# Allegro board Coral-Dev-Board-Mini-layout-Allegro.brd (continued)
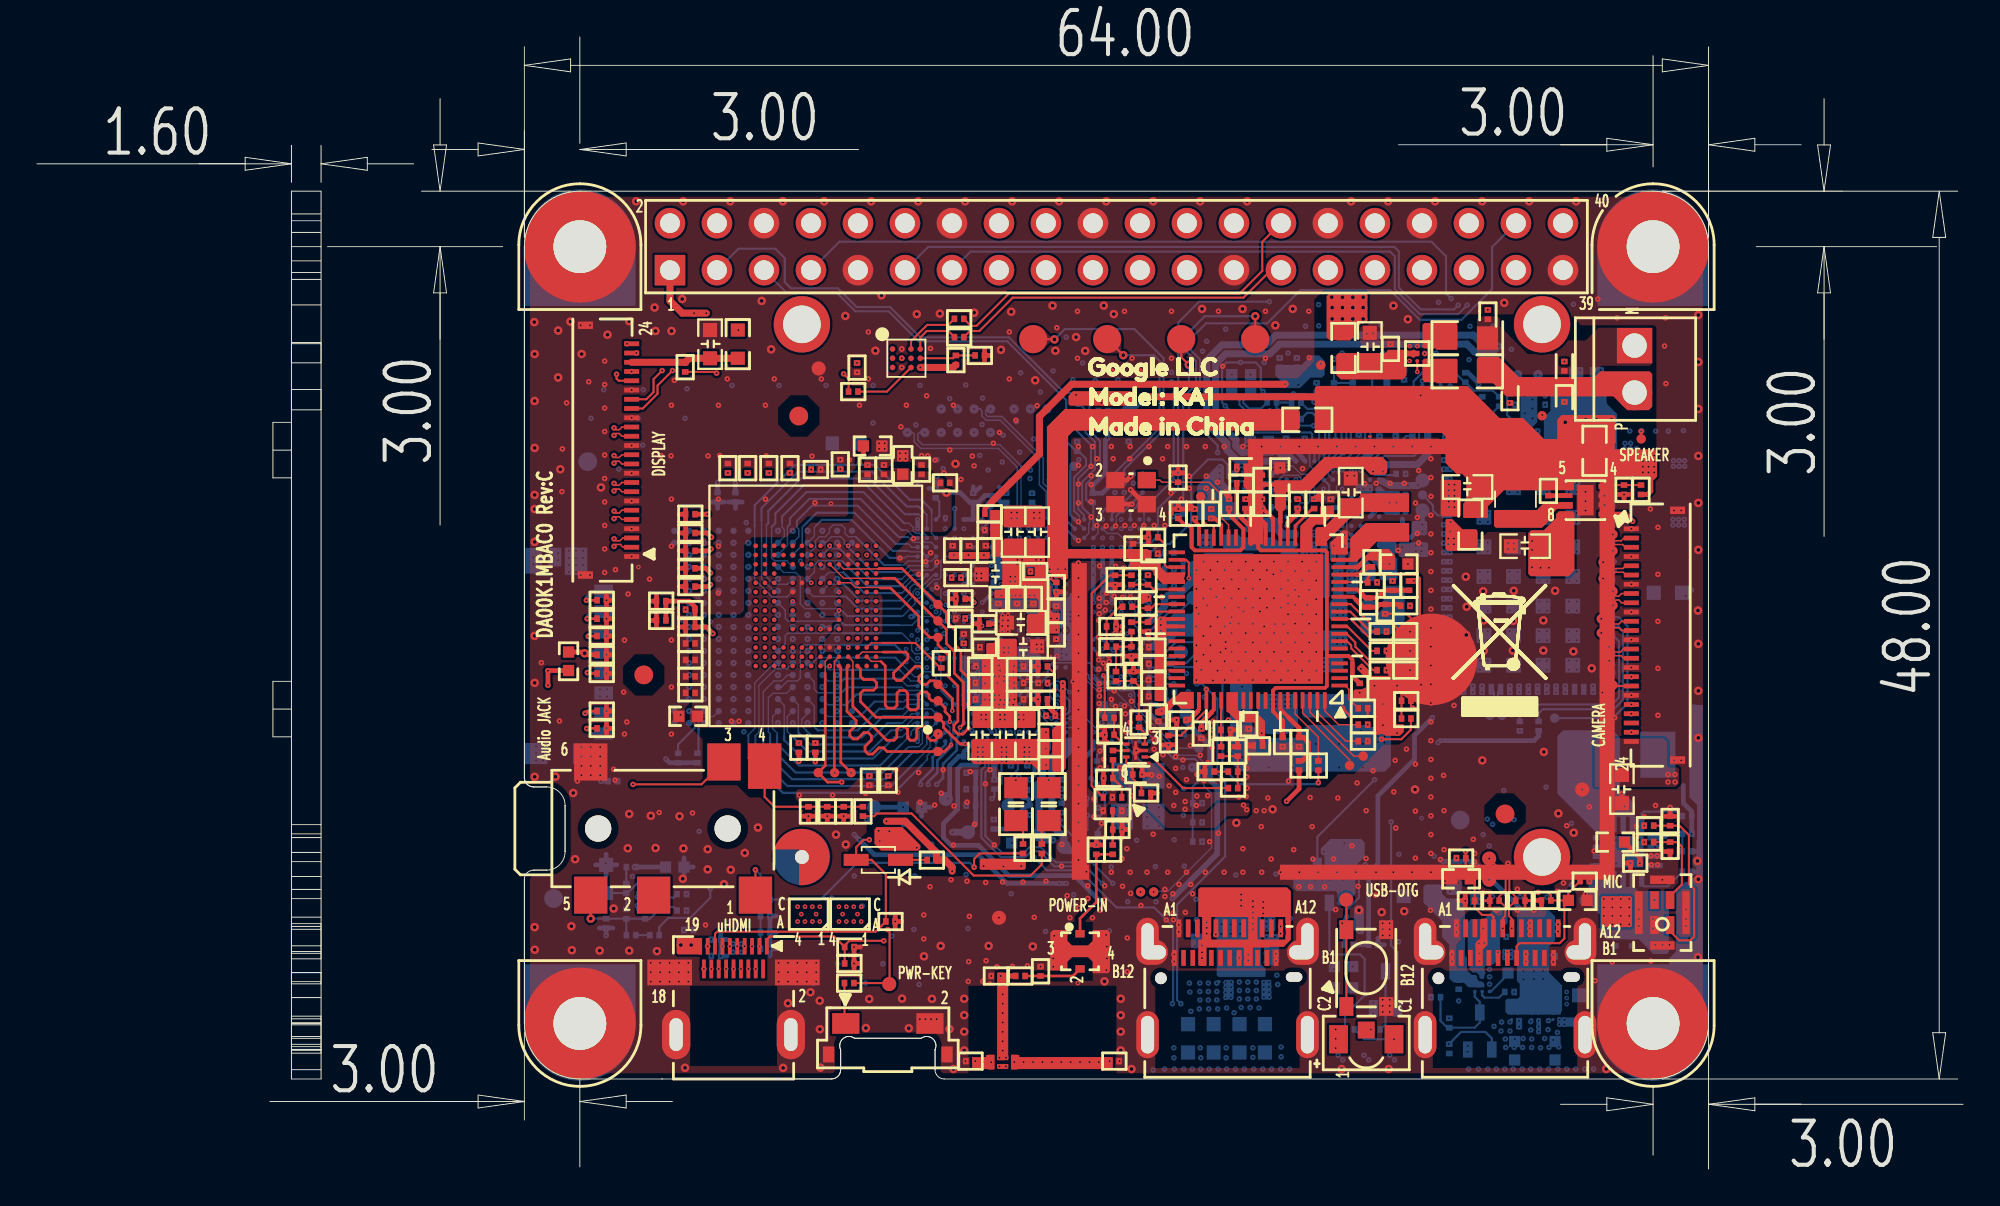
[diagram p0: board, top side]
## Footprints (pads in the part's own frame, mm; a bottom-side part is the same pattern mirrored in y, then rotated) (continued)
WLCSP12_0P4_1P38X1P68MM_SMDP
  round 0.203 smd: A1(-0.6,-0.4) A2(-0.6,0) A3(-0.6,0.4) B1(-0.2,-0.4) B2(-0.2,0) B3(-0.2,0.4) C1(0.2,-0.4) C2(0.2,0) C3(0.2,0.4) D1(0.6,-0.4) D2(0.6,0) D3(0.6,0.4)
WSON8-0_5MM-TLV62080DSGR
  rect 0.254x0.66 smd: 1(-0.75,-1.03) 2(-0.25,-1.03) 3(0.25,-1.03) 4(0.75,-1.03) 5(0.75,1.03) 6(0.25,1.03) 7(-0.25,1.03) 8(-0.75,1.03)
  rect 1.651x0.889 smd: 9(0,0)
XTL-2_5X2-1_7X1_3-4P
  rect 0.991x0.889 smd: 1(-0.85,-0.65) 2(0.85,-0.65) 3(0.85,0.65) 4(-0.85,0.65)
XTL-3_2X2_5-2_2X1_7
  rect 1.397x1.194 smd: 1(-1.1,-0.85) 2(1.1,-0.85) 3(1.1,0.85) 4(-1.1,0.85)

## Nets
3.3V_A: C210.1 C220.1 C266.1 C270.1 C278.1 C279.1 R28.2 U8.42 U8.43 U8.48 U8.49 U8.50 U8.54
3V_SYSTEM: C155.2 C182.2 D2.A J12.24 L8.2 L29.1 R28.1 R29.1 R40.2 R41.2 R42.2 R43.2 R44.2 R45.2 R58.1 R59.1 R91.1 R92.2 R167.2 TP68.1 U5.B1 U21.B1 U29.5(VOS)
AVDD18: C14.2 R2.2 U1.J1
AVSS18: C14.1 NC5.1 U1.J2
DVDD11: C34.2 C38.1 C42.1 C44.1 U8.5 U8.22 U8.23 U8.29 U8.69
DVDD18_EMI: C239.1 C240.1 C241.1 C523.1 R175.2 U501.A3 U501.A4 U501.A5 U501.A6 U501.A10 U501.U3 U501.U4 U501.U5 U501.U6 U501.U10
DVDDIO_ANTSEL: R5.1 R9.1 R96.2 U8.28
GND: C1.1 C2.1 C3.1 C4.1 C5.1 C6.1 C7.1 C8.1 C9.1 C10.1 C11.1 C12.1 C13.1 C15.2 C16.1 C17.1 C18.1 C19.1 C20.1 C21.1 C22.2 C23.2 C24.2 C29.1 C30.1 C31.2 C32.1 C33.2 C34.1 C35.1 C37.2 C38.2 C39.2 C40.2 C41.2 C42.2 C43.2 C44.2 C45.1 C46.1 C47.1 C48.1 C49.1 C50.1 C51.1 C52.1 C53.1 C54.1 C55.1 C56.1 C57.1 C58.1 C59.1 C60.1 C61.1 C62.1 C63.1 C64.1 C65.1 C66.1 C67.2 C68.2 C69.1 C70.1 C71.1 C72.1 C73.1 C74.1 C75.1 C76.1 C77.1 C78.2 C79.1 C80.1 C81.1 C82.1 C83.1 C84.1 C95.2 C99.2 C100.1 C105.2 C106.2 C114.2 C127.1 C154.1 C155.1 C156.2 C157.1 C158.1 C159.1 C160.2 C163.2 C164.1 C168.2 C169.1 C170.1 C171.1 C176.1 C178.1 C179.1 C180.1 C181.1 C182.1 C183.1 C188.1 C190.1 C191.1 C192.2 C193.1 C194.1 C195.1 C197.2 C199.1 C200.2 C201.2 C202.2 C203.1 C204.2 C205.2 C206.1 C207.1 C209.1 C210.2 C211.1 C212.1 C213.1 C214.2 C218.1 C219.1 C220.2 C223.2 C224.2 C225.2 C226.2 C227.2 C228.2 C229.2 C230.2 C231.2 C232.2 C233.2 C234.2 C235.2 C236.2 C237.2 C238.2 C239.2 C240.2 C241.2 C242.1 C243.1 C244.2 C245.1 C246.1 C247.1 C248.1 C249.2 C250.2 C251.2 C252.2 C253.2 C254.2 C255.2 C256.2 C257.2 C258.2 C259.2 C261.1 C262.1 C263.1 C264.1 C265.1 C266.2 C267.2 C268.1 C269.2 C270.2 C271.1 C272.2 C273.1 C278.2 C279.2 C280.1 C281.1 C282.1 C283.1 C284.1 C285.1 C286.1 C287.1 C288.1 C289.1 C290.1 C291.2 C292.2 C517.2 C518.2 C519.2 C520.1 C521.1 C522.1 C523.2 C524.1 C525.2 C526.2 CON1.4 CON1.7 CON1.10 CON1.13 CON1.16 CON1.21 CON1.22 CON1.23 CON1.24(SHIELD4) ESD1.1 ESD2.1 ESD3.1 ESD4.1 ESD5.1 ESD6.1 ESD7.1 HOLE1.1 HOLE2.1 HOLE3.1 HOLE4.1 J2.A1 J2.A12 J2.B1 J2.B12 J2.SH1 J2.SH2 J2.SH3 J2.SH4 J2.SH5 J2.SH6 J3.1 J3.4 J3.7 J3.10 J3.13 J3.16 J3.19 J3.25 J3.26 J4.6 J5.6(VSS) J5.G1 J5.G2 J5.G3 J5.G4 J5.G5 J6.6 J6.9 J6.14 J6.20 J6.25 J6.30 J6.34 J6.39 J7.A1 J7.A12 J7.B1 J7.B12 J7.SH1 J7.SH2 J7.SH3 J7.SH4 J7.SH5 J7.SH6 J12.1 J12.4 J12.7 J12.10 J12.13 J12.16 J12.19 J12.25 J12.26 L11.1 L12.1 L14.1 L15.1 L19.1 L20.1 L24.1 NC2.2 NC4.2 NC5.2 Q1.2(S) Q4.2(S) Q5.2(S) R15.1 R16.2 R19.1 R22.2 R26.2 R35.2 R37.2 R38.1 R39.1 R60.1 R67.1 R69.1 R81.2 R82.2 R90.2 R97.2 R98.2 R109.1 R114.2 R116.1 R117.1 R118.1 R140.2 R151.2 R152.1 R162.1 R163.2 R168.2 R169.1 R170.1 R174.2 R180.2 SHIELDING.1 SHIELDING.2 SW1.2 SW1.3 SW1.4 SW2.3 SW2.4 TP34.1 TP47.1 TP56.1 U1.A9 U1.B3 U1.B9 U1.C3 U1.C4 U1.D9 U1.E5 U1.E7 U1.E9 U1.E10 U1.E11 U1.F2 U1.F5 U1.F6 U1.F7 U1.F8 U1.F9 U1.G1 U1.G4 U1.G6 U1.H11 U1.K10 U2.B2 U3.B2 U4.B2 U5.B4 U6.A1 U6.A2 U6.A24 U6.A25 U6.AA4 U6.AA5 U6.AA6 U6.AA7 U6.AA8 U6.AA9 U6.AA10 U6.AA24 U6.AB3 U6.AB4 U6.AB5 U6.AB6 U6.AB7 U6.AB8 U6.AB10 U6.AB25 U6.AC4 U6.AC5 U6.AD3 U6.AD25 U6.AE3 U6.AE18 U6.AE21 U6.AF3 U6.F7 U6.F8 U6.F9 U6.F16 U6.F17 U6.F18 U6.F20 U6.F21 U6.G20 U6.G21 U6.H3 U6.H10 U6.H11 U6.H18 U6.H20 U6.J6 U6.J7 U6.J9 U6.J12 U6.J15 U6.K11 U6.K12 U6.K13 U6.M6 U6.M12 U6.M13 U6.N6 U6.N11 U6.N12 U6.N13 U6.N14 U6.N18 U6.P7 U6.P12 U6.P13 U6.P14 U6.P15 U6.P18 U6.R11 U6.R12 U6.R13 U6.R14 U6.T6 U6.T9 U6.T11 U6.T12 U6.T13 U6.T14 U6.T23 U6.U9 U6.U13 U6.V17 U6.W10 U6.W14 U6.W15 U6.W18 U6.Y4 U6.Y5 U6.Y6 U6.Y7 U6.Y9 U6.Y10 U6.Y24 U7.B2 U8.19 U8.77 U9.A6 U9.C4 U9.E7 U9.G5 U9.H10 U9.J5 U9.K8 U9.N2 U9.N5 U9.P4 U9.P6 U11.2 U11.4 U11.6 U12.B1 U12.B2 U15.2 U15.7 U16.2 U16.5 U16.6 U16.7 U16.8 U17.A2 U17.B3 U18.B1 U18.B2 U20.B3 U20.C3 U20.D3 U21.B4 U25.3 U25.4 U26.6 U26.7 U26.8 U26.15 U26.16 U26.17 U29.2 U29.3 U29.9 U30.A2(VSS) U30.C2 U31.1 U31.2 U31.3 U31.6 U31.7 U31.8 U31.9 U31.10 U31.11 U31.12 U31.15 U31.16 U31.17 U31.18 U31.19 U31.20 U31.21 U31.22 U31.23 U31.24 U31.25 U31.26 U31.27 U31.28 U31.29 U31.30 U31.31 U31.32 U31.33 U31.34 U31.35 U31.36 U31.38 U31.39 U31.40 U31.41 U31.42 U31.43 U31.44 U31.45 U31.46 U31.47 U31.48 U31.51 U31.55 U31.68 U31.69 U31.70 U31.71 U31.72 U31.73 U31.74 U31.75 U31.79 U31.80 U31.81 U31.86 U31.87 U31.88 U31.89 U31.90 U31.91 U31.92 U31.93 U31.94 U31.95 U31.96 U31.97 U31.98 U31.99 U31.100 U31.101 U31.102 U31.103 U31.104 U31.105 U31.106 U31.107 U31.108 U31.109 U31.110 U31.111 U31.112 U31.113 U31.114 U31.115 U31.116 U31.117 U31.118 U31.119 U31.120 U32.B2 U33.B2 U501.B2 U501.B5 U501.B6 U501.B12 U501.C3 U501.C5 U501.C6 U501.D3 U501.D12 U501.E4 U501.E5 U501.E6 U501.F4 U501.F5 U501.F6 U501.F12 U501.G3 U501.G4 U501.G6 U501.G9 U501.H2 U501.H10 U501.J4 U501.J12 U501.K2 U501.K10 U501.L6 U501.L9 U501.M4 U501.M5 U501.M6 U501.M12 U501.N4 U501.N5 U501.N6 U501.P3 U501.P12 U501.R4 U501.R5 U501.R6 U501.T2 U501.T3 U501.T4 U501.T5 U501.T6 U501.T12 Y1.2 Y1.3(HOT2) Y1.4 Y3.2(NC2) Y3.3 Y3.4
GND_VCORE_FB: NC2.1 U1.B8
GND_VPROC_FB: NC4.1 U1.D7
VBUS: C154.2 C157.2 C192.1 C211.2 C218.2 C262.2 C264.2 C265.2 C287.2 C288.2 C289.2 C290.2 C291.1 C292.1 CON1.19 J6.2 J6.4 R36.1 R49.1 R50.1 R62.1 R153.2 TP69.1 U2.A2(VOUT) U3.A2(VOUT) U4.A2(VOUT) U7.A2(VOUT) U26.10 U26.11 U26.12 U26.13 U29.8 U32.A2(VOUT) U33.A2(VOUT)
VBUS_3W: C213.2 C214.1 R62.2 U17.B1 U17.B2(PVDDD)
VBUS_R: C183.2 C212.2 R153.1 U20.B1 U20.B2 U20.C1(VINT#3)
VBUS_TYPC: C19.2 C178.2 J2.A4 J2.A9 J2.B4 J2.B9(VBUS4) L28.2 R20.1 TP72.1 U2.A1 U2.B1 U3.A1 U3.B1 U32.A1 U32.B1
VBUS_TYPC_R: C246.2 C263.2 L28.1 U20.C2 U20.D1 U20.D2
VCCIO_PMU: C67.1 C68.1 C223.1 C224.1 C225.1 C226.1 C227.1 C228.1 C229.1 C230.1 C231.1 C232.1 C233.1 C234.1 C235.1 C236.1 C237.1 C238.1 C516.1 C525.1 C526.1 R133.2 TP79.1 U6.A11 U6.B9 U6.B12 U6.B13 U6.B14 U6.B15 U6.C10 U6.C13 U6.C15 U6.D15 U6.E12 U6.E15 U6.G10 U6.G12 U6.G15 U6.G17 U501.A8 U501.A9 U501.A11 U501.C12 U501.D4 U501.D5 U501.D6 U501.E8 U501.E12 U501.F2 U501.G2 U501.G5 U501.G12 U501.H3 U501.H5 U501.H6 U501.H8 U501.H9 U501.H11 U501.H12 U501.J5 U501.J6 U501.J9 U501.J10 U501.K5 U501.K6 U501.K8 U501.K11 U501.K12 U501.L2 U501.L5 U501.L12 U501.M2 U501.N8 U501.N12 U501.P4 U501.P5 U501.P6 U501.R12 U501.U8 U501.U9 U501.U11
ACCDET: R113.2 U6.W23
ACCDET_R: R79.1 R113.1
ADA_IN: C21.2 C179.2 J7.A4 J7.A9 J7.B4(VBUS4) J7.B9 TP76.1 U4.A1 U4.B1 U7.A1 U7.B1 U33.A1 U33.B1
AMP_EN: U6.AE13 U17.C2
ANTSEL2: R48.2 U8.40
APEX_BOOT_FAIL: R179.2 U6.AE2
APEX_INT: R183.2 U6.Y3
APEX_PMIC_EN: TP111.1 U6.AD1 U31.53
APEX_RST_N: R109.2 U6.AD2 U31.76
APEX_V3P3: C281.2 C282.2 C283.2 C284.2 R167.1 U31.56 U31.57 U31.58 U31.59 U31.60 U31.61 U31.62 U31.63 U31.64 U31.65 U31.66 U31.67(VIN#67)
AU_VIN_N: C167.1 U6.V23
AU_VIN_N_C: C160.1 C164.2 C165.2 C167.2 R110.2 R111.1
AU_VIN_P: C166.1 U6.V24
AU_VIN_P_C: C163.1 C165.1 C166.2 ESD1.2 J4.5(MIC) R79.2 R110.1
AUX_IN0: C176.2 R114.1 R115.2 U6.V20
AUX_IN1: C524.2 R180.1 R181.2 U6.V21
AUX_IN2: TP101.1 U6.V18
AUX_IN3: TP102.1 U6.W20
AUX_IN4: TP103.1 U6.V19
AUX_IN5: TP104.1 U6.W21
BT_TDD: C187.2 U15.1
BUCK_1V3_OUT: C32.2 C33.1 C35.2 C180.2 C193.2 C203.2 L10.1 U8.20 U8.21 U8.31 U8.38 U8.58 U8.63 U8.64
CAM1_PWDNB: J12.17 U6.H24
CAM1_RESETB: J12.23 U6.K25
CAM_I2C_SCL: J3.17 J12.20 R40.1 U6.U7
CAM_I2C_SDA: J3.18 J12.21 R41.1 U6.U8
CC1: ESD7.2 J2.A5 R77.1 R169.2 R177.1
CC2: ESD6.2 J2.B5 R76.1 R170.2 R176.1
CEC: C156.1 CON1.15 D4.C(CATHODE) U6.AE8
CHRLDO: R33.2 U1.H3
CLK_26M: R104.2 U6.AA23
CLK_32K: R93.2 U6.M18
CLK_N: U6.AC21 U12.C4
CLK_P: U6.AB21 U12.C3
D0N: U6.AD22 U12.C2
D0P: U6.AC22 U12.C1
D1N: U6.AE23 U18.C4
D1P: U6.AD23 U18.C3
D2N: U6.AE24 U18.C2
D2P: U6.AD24 U18.C1
DDC_SCL: CON1.17 R49.2 U6.AE9
DDC_SDA: CON1.18 R50.2 U6.AD8
DDRVREF: C516.2 C517.1 C518.1 C519.1 R182.2 U501.H4 U501.J11
DSI_3P3: C520.2 J3.22 L29.2 R178.2
DSI_RST: J3.20 TP62.1 U6.U5
DSI_TCN: J3.9 TP41.1 U6.N5
DSI_TCP: J3.8 TP46.1 U6.N4
DSI_TDN0: J3.12 TP40.1 U6.P3
DSI_TDN1: J3.6 TP39.1 U6.R3
DSI_TDN2: J3.3 TP38.1 U6.T2
DSI_TDN3: J3.15 TP37.1 U6.T5
DSI_TDP0: J3.11 TP45.1 U6.P2
DSI_TDP1: J3.5 TP44.1 U6.R2
DSI_TDP2: J3.2 TP43.1 U6.T1
DSI_TDP3: J3.14 TP42.1 U6.T4
DSI_TE: R178.1 TP64.1 U6.U3
DUN0: U501.A1
DUN1: U501.A2
DUN2: U501.A12
DUN3: U501.A13
DUN4: U501.B13
DUN5: U501.B1
DUN6: U501.T1
DUN7: U501.T13
DUN8: U501.U1
DUN9: U501.U2
DUN10: U501.U12
DUN11: U501.U13
EA0: U6.D12 U501.R2
EA1: U6.C12 U501.P2
EA2: U6.F12 U501.N2
EA3: U6.B11 U501.N3
EA4: U6.B10 U501.M3
EA5: U6.A13 U501.F3
EA6: U6.A16 U501.E3
EA7: U6.A14 U501.E2
EA8: U6.B16 U501.D2
EA9: U6.F15 U501.C2
ECKE0: U6.A9 U501.K3
ECKE1: U6.C11 U501.K4
ECLK0: U6.E11 U501.J3
ECLK0_B: U6.D11 U501.J2
ECS0: U6.A15 U501.L3
ECS1: U6.B17 U501.L4
ED0: U6.C4 U501.P9
ED1: U6.B3 U501.N9
ED2: U6.A7 U501.N10
ED3: U6.B7 U501.N11
ED4: U6.B2 U501.M8
ED5: U6.C3 U501.M9
ED6: U6.C7 U501.M10
ED7: U6.A8 U501.M11
ED8: U6.B19 U501.F11
ED9: U6.B18 U501.F10
ED10: U6.C24 U501.F9
ED11: U6.C25 U501.F8
ED12: U6.A19 U501.E11
ED13: U6.B20 U501.E10
ED14: U6.B24 U501.E9
ED15: U6.C23 U501.D9
ED16: U6.A3 U501.T8
ED17: U6.A4 U501.T9
ED18: U6.A5 U501.T10
ED19: U6.B6 U501.T11
ED20: U6.B4 U501.R8
ED21: U6.B5 U501.R9
ED22: U6.C5 U501.R10
ED23: U6.C6 U501.R11
ED24: U6.A20 U501.C11
ED25: U6.A21 U501.C10
ED26: U6.A22 U501.C9
ED27: U6.A23 U501.C8
ED28: U6.B21 U501.B11
ED29: U6.C22 U501.B10
ED30: U6.B22 U501.B9
ED31: U6.B23 U501.B8
EDQM0: U6.C8 U501.L8
EDQM1: U6.E21 U501.G8
EDQM2: U6.E5 U501.P8
EDQM3: U6.C19 U501.D8
EDQS0: U6.D7 U501.L10
EDQS0_B: U6.E7 U501.L11
EDQS1: U6.D19 U501.G10
EDQS1_B: U6.E19 U501.G11
EDQS2: U6.D9 U501.P10
EDQS2_B: U6.E9 U501.P11
EDQS3: U6.C21 U501.D10
EDQS3_B: U6.D21 U501.D11
EINT0: J6.16 U6.AC14
EINT1: J6.18 U6.AA14
EINT7: J6.22 U6.AF14
EINT8: J6.26 U6.AA15
EINT9: J6.11 U6.AD12
EINT10: J6.13 U6.AD14
EINT11: J6.15 U6.Y15
EINT12: J6.32 U6.AE12
EINT13: J6.36 U6.AB15
EINT22: J6.7 U6.K23
EINT23: R164.2 U6.L25
EINT25: J6.33 U6.AE14
EMMC_CLK: TP22.1 U6.G23 U9.M6
EMMC_CMD: TP23.1 U6.G22 U9.M5
EMMC_DAT0: TP31.1 U6.F24 U9.A3
EMMC_DAT1: TP30.1 U6.F25 U9.A4
EMMC_DAT2: TP29.1 U6.F23 U9.A5
EMMC_DAT3: TP28.1 U6.E24 U9.B2
EMMC_DAT4: TP27.1 U6.E23 U9.B3
EMMC_DAT5: TP26.1 U6.D24 U9.B4
EMMC_DAT6: TP25.1 U6.D25 U9.B5
EMMC_DAT7: TP24.1 U6.D23 U9.B6
EMMC_RSTB: TP21.1 U6.G24 U9.K5
EXT_PMIC_EN: TP2.1 U1.F3
FB_17: R67.2 R68.1 U26.5
GPIO_GREEN: Q5.1 U6.AD7
GPIO_RED: Q4.1 U6.AC8
HDMI_CLK_N: CON1.14 U12.A4
HDMI_CLK_P: CON1.12 U12.A3
HDMI_D0_N: CON1.11 U12.A2
HDMI_D0_P: CON1.9 U12.A1
HDMI_D1_N: CON1.8 U18.A4
HDMI_D1_P: CON1.6 U18.A3
HDMI_D2_N: CON1.5 U18.A2
HDMI_D2_P: CON1.3 U18.A1
HDMI_HPD: C261.2 CON1.1 R151.1 U6.AF8
HEADPHONE.LEFT_CHAN: R78.1 R84.1
HEADPHONE.RIGHT_CHAN: R80.2 R85.1
HPL: C274.1 U6.T20
HPL_C: C274.2 R84.2
HPR: C275.1 U6.T19
HPR_C: C275.2 R85.2
I2C1_SCL: J6.5 R42.1 U6.W2
I2C1_SDA: J6.3 R43.1 U6.Y2
I2C2_1P8_SCL: R24.1 R166.1 U21.A1
I2C2_1P8_SDA: R23.1 R165.1 U21.A2
I2C2_SCL: J6.28 R44.1 R172.2 U6.M22 U21.C1
I2C2_SDA: J6.27 R45.1 R173.2 U6.M21 U21.C2
INT_HP: J4.3 R83.2 U6.AA3
JTCLK_1V8: TP11.1 U6.W3 U21.A4
JTCLK_3V3: J6.37 U21.C4
JTMS_1V8: R73.2 TP8.1 U6.V3
KPCOL0: TP52.1 U6.AA2
LOUT_N: C216.2 R31.2 U6.T21
LOUT_N_C: C216.1 R52.1
LOUT_N_R1: R31.1 U1.E2
LOUT_N_RC: R52.2 U17.C1
LOUT_P: C215.2 R30.2 U6.R21
LOUT_P_C: C215.1 R32.1
LOUT_P_R1: R30.1 U1.E1
LOUT_P_RC: R32.2 U17.A1
MIC_CLK: C106.1 R141.1 U16.3
MIC_CLK_R0: R141.2 U6.T25
MIC_DAT: C114.1 R134.1 U16.4
MIC_DAT_R0: R134.2 U6.T24
MICBIAS0: C207.2 C522.2 U6.W25 U16.1(VDD)
MICBIAS1: C206.2 C521.2 R112.2 U6.W24
MICBIAS1_R: R111.2 R112.1
MIPI_CSI_CLK_N: J12.5 TP14.1 U6.M4
MIPI_CSI_CLK_P: J12.6 TP15.1 U6.M5
MIPI_CSI_D0_N: J12.2 TP12.1 U6.K1
MIPI_CSI_D0_P: J12.3 TP13.1 U6.K2
MIPI_CSI_D1_N: J12.8 TP20.1 U6.L2
MIPI_CSI_D1_P: J12.9 TP7.1 U6.L3
MIPI_CSI_D2_N: J12.11 TP18.1 U6.M2
MIPI_CSI_D2_P: J12.12 TP19.1 U6.M3
MIPI_CSI_D3_N: J12.14 TP16.1 U6.N2
MIPI_CSI_D3_P: J12.15 TP17.1 U6.N3
MRG_CLK: J6.12 U6.AE17
MRG_DI: J6.38 U6.AF18
MRG_DO: J6.40 U6.AD16
MRG_SYNC: J6.35 U6.AF17
MT7658_AVDD18: C41.1 R3.2 U8.25
MT7658_AVDD22: C39.1 C168.1 C197.1 C204.1 U8.27 U8.34 U8.37 U8.59
MT7658_BGF_INT: R64.2 U6.AD10
MT7658_GPIO0: R65.2 U6.AA1
MT7658_PMU_EN: R63.2 U6.AC10
MT7658_WIFI_INT: R61.2 U6.AD9
OTG_ID: Q1.1 R152.2 U6.J23
OTG_ID_SELECT: R100.2 U6.AE10
PANEL_PWM: J3.21 TP63.1 U6.U6
PMU_EN: C269.1 R63.1 R72.1 U8.15
PMU_FSOURCE: R19.2 U1.B6
PMU_VBAT_VCORE: C5.2 C6.2 R120.2 U1.A10 U1.B10
PMU_VBAT_VPROC: C3.2 C4.2 R121.2 U1.D10 U1.D11
PMU_VBAT_VSYS: C7.2 C8.2 R119.2 U1.G11
PUSH_BUTTON_GPIO: R54.1 SW2.1 SW2.2 TP107.1 U6.AC15
PWRAP.INT: R127.1 U1.A4
PWRAP.SPI_CK: R131.1 U1.C5
PWRAP.SPI_CSN: R130.1 U1.B5
PWRAP.SPI_MI: R128.1 U1.A5
PWRAP.SPI_MO: R129.1 U1.C6
PWRAP.SRCLKEN: R132.1 U1.E3
PWRKEY: R137.2 TP58.1 U1.J9
RESETB: R161.1 U1.J10
RESETB_R: R161.2 TP53.1 U6.N22
REXTDN: R16.1 U6.C1
RFIP_BT: C169.2 L9.1 U8.62
RFIP_BT_CO: C187.1 L9.2 L15.2 L18.2
RTC32K_1V8: TP59.1 U1.E4 U6.M20
SD_CARD.CLK: C99.1 J5.5 U6.Y11
SD_CARD.CMD: C105.1 J5.3 U6.AA11
SD_CARD.DAT0: C95.1 J5.7 U6.AF11
SD_CARD.DAT1: C24.1 J5.8 U6.AE11
SD_CARD.DAT2: C23.1 J5.1 U6.AC11
SD_CARD.DAT3: C22.1 J5.2 U6.AB11(MSDC2_DAT3)
SDIO_CLK: R17.1 U8.9
SDIO_CMD: R12.1 U8.11
SDIO_DAT0: R99.1 U8.7
SDIO_DAT1: R27.1 U8.8
SDIO_DAT2: R13.1 U8.10
SDIO_DAT3: R11.1 U8.12
SOC_FSOURCE_P: C158.2 R25.1 U6.K9
SOC_TESTMODE: R22.1 U6.W1
SPI_3P3.SPI_CLK: J6.23 U6.Y14
SPI_3P3.SPI_CSB: J6.24 U6.AB14
SPI_3P3.SPI_MI: J6.21 U6.AD15
SPI_3P3.SPI_MO: J6.19 U6.AD13
SPK_N: C243.2 J1.N L26.1 R53.2
SPK_N_R1: L26.2 U1.B1
SPK_N_R2: R53.1 U17.A3
SPK_P: C247.2 J1.P L27.1 R51.2
SPK_P_R1: L27.2 U1.A1
SPK_P_R2: R51.1 U17.C3
SYSRST_B: R97.1 TP10.1 U6.V1 U8.60
TS_INTB: J3.23 U6.J24
TS_RESETB: J3.24 U6.K24
UART0.RX: J6.10 TP50.1 U5.C2
UART0.TX: J6.8 TP51.1 U5.C1
UART0_RX: U5.A2 U6.AC2
UART0_TX: U5.A1 U6.AC1
UART1.RX: J6.31 U5.C4
UART1.TX: J6.29 U5.C3
UART1_RX: U5.A4 U6.AB2
UART1_TX: U5.A3 U6.AB1
UART2_RX: TP113.1 U6.AE15
UART2_TX: TP112.1 U6.AE16
USB_APEX.USB_APEX_D_M: TP54.1 U6.AD19 U31.14
USB_APEX.USB_APEX_D_P: TP55.1 U6.AE19 U31.13
USB_DATA_N: ESD5.2 J2.A7 J2.B7 TP49.1 U6.AD20
USB_DATA_P: ESD4.2 J2.A6 J2.B6 TP48.1 U6.AE20
USB_VBUS_P0: R36.2 R37.1 U6.AF21
USB_VRT_P0: R38.2 U6.AC18
VAUD18_PMU: R2.1 TP81.1 U1.K7
VAUD22_PMU: C199.2 TP86.1 U1.K9 U6.V25
VAUD28_PMU: C18.2 TP87.1 U1.L11 U6.R25
VCAM_AF_PMU: C100.2 C159.2 C205.1 C248.2 R54.2 R160.2 TP88.1 U1.K4 U6.H25
VCAMA_PMU: U1.L9
VCAMD_PMU: U1.H8
VCAMIO_PMU: U1.J8
VCDT: R34.2 R35.1 U1.F1
VCN18_PMU: U1.G8
VCN35_PMU: U1.H6
VCORE_FB: NC1.1 U1.A8
VCORE_PMU: C45.2 C46.2 C47.2 C48.2 C49.2 C50.2 C51.2 C52.2 C53.2 C54.2 C55.2 L2.2 NC1.2 TP77.1 U6.J10 U6.K10 U6.K14 U6.L9 U6.M9 U6.N9 U6.N10 U6.P9 U6.R9 U6.R10 U6.T15 U6.U11 U6.U12 U6.V15 U6.V16
VDIG18_PMU: C15.1 U1.A6
VELDO18_PMU: R25.2 U1.K5
VEMC33_PMU: C74.2 C75.2 C76.2 C250.1 C251.1 C252.1 C253.1 C254.1 R105.2 TP67.1 U1.J5 U9.E6 U9.F5 U9.J10 U9.K9
VGP1_PMU: C280.2 J6.1 R171.1 TP85.1 U1.L3 U30.B2 U30.C4
VGP2_PMU: J6.17 TP84.1 U1.L2
VIO18_PMU: C69.2 C70.2 C71.2 C72.2 C73.2 C79.2 C80.2 C81.2 C82.2 C83.2 C84.2 C255.1 C256.1 C257.1 C258.1 C259.1 C285.2 C286.2 R1.2 R4.2 R6.2 R9.2 R14.2 R23.2 R24.2 R55.2 R72.2 R83.1 R115.1 R175.1 R181.1 TP80.1 U5.B2(VL) U5.B3 U6.AF9 U6.AF19 U6.F1 U6.F5 U6.G1 U6.G5 U6.G25 U6.K8 U6.M1 U6.N25 U6.U4 U6.W19 U6.W22 U9.C6 U9.M4 U9.N4 U9.P3 U9.P5 U21.B2(VL) U21.B3 U29.1 U31.54
VIO28_PMU: U1.L7
VM25_PMU: U1.H5
VMC_PMU: C77.2 TP95.1 U1.K6 U6.AF12
VMCH_PMU: C17.2 C20.2 R124.2 TP66.1 U1.L8
VMCH_PMU_R: C200.1 J5.4 R124.1
VPROC_FB: NC3.1 U1.C7
VPROC_PMU: C56.2 C57.2 C58.2 C59.2 C60.2 C61.2 C62.2 C63.2 C64.2 C65.2 C66.2 L1.2 NC3.2 TP78.1 U6.J18 U6.J19 U6.J20 U6.J21 U6.K16 U6.K17 U6.K18 U6.K19 U6.K20 U6.K21 U6.L15 U6.M16 U6.P16
VRTC_PMU: TP83.1 U1.D1
VSYS: C2.2 C9.2 C10.2 C11.2 C268.2 L13.2 R66.2 R68.2 R119.1 R120.1 R121.1 R122.2 TP70.1 U1.H1 U1.H2 U1.L4 U1.L6 U1.L10 U26.14(VOS)
VSYS_AUDIO_1W: C127.2 R122.1 U1.C1
VSYS_L: L13.1 U26.1 U26.2 U26.3
VSYS_PMU: C12.2 C13.2 L3.2 U1.H10
VUSB33_PMU: C78.1 TP65.1 U1.L1 U6.Y18
VXO22_PMU: R106.2 R107.2 TP82.1 U1.K8
WATCHDOG: R18.1 U6.P24
WF0_LNA_EXT_G: L11.2 L16.1 U8.46
WF0_RFIO_A: L20.2 L22.1 U8.44
WF0_RFIO_G: L14.2 L17.1 U8.47
WF_BT_2G_TDD: C196.1 C202.1 U11.1
WF_RF_5G_TRX: L22.2 L24.2 U11.3(TR_5)
WF_TDD: C189.2 U15.3
WIFI_3.3V: C31.1 C36.2 C40.1 C201.1 R5.2 R29.2 R71.2 U8.17 U8.26 U8.61
WIFI_INT_B: R61.1 U8.1
WIFI_SDIO.CLK: R17.2 U6.D1
WIFI_SDIO.CMD: R12.2 U6.E3
WIFI_SDIO.DAT0: R99.2 U6.D2
WIFI_SDIO.DAT1: R27.2 U6.D3
WIFI_SDIO.DAT2: R13.2 U6.F2
WIFI_SDIO.DAT3: R11.2 U6.E2
N16779904: L17.2 L19.2 L21.2 L23.1
N16779987: C171.2 L16.2 L21.1
N16780021: C188.2 C189.1 L23.2
N16781432: C195.2 R71.1 U15.6(VDD)
N16781464: C196.2 U15.5
N16781495: C191.2 R48.1 U15.4
N16782197: C190.2 L25.1 U11.5
N16782316: C194.2 L25.2 U25.1
N16782850: C245.2 R70.2 U25.2(OUT)
N16782999: L12.2 R70.1 U24.2 U24.3 U24.5 U24.6
N16783337: C244.1 U24.1
N16783499: C249.1 U24.4
N16795155: L8.1 U29.7
N16795239: R90.1 R91.2 U29.4
N16795357: R92.1 U29.6
N16801223: C267.1 U26.9
N16801377: R66.1 U26.4
N16802138: R60.2 U20.A3
N16802168: R59.2 U20.A2
N16802186: Q1.3 R58.2 R100.1 U20.A1
N16807355: R26.1 U6.AF22
N16807613: D4.A R105.1
N16814716: TP9.1 U6.V2
N16814904: C271.2 U6.AA25
N16814973: R132.2 U6.N23
N16814975: R131.2 U6.M23
N16814977: R130.2 U6.L23
N16814979: R129.2 U6.L24
N16814989: R128.2 U6.M24
N16814991: R127.2 U6.N24
N16815944: R69.2 U6.P1
N16816080: TP4.1 U6.H2
N16819496: C219.2 R107.1 U6.AB23
N16820063: C209.2 R106.1 U6.N20
N16820628: R118.2 U6.W6
N16820631: R117.2 U6.W5
N16820634: R116.2 U6.AD6
N16821487: U6.AC25 Y3.1
N16828522: C170.2 L18.1
N17848281: J12.18 TP1.1
N17861640: C273.2 ESD2.2 J4.1 R80.1 R81.1
N17861726: C272.1 ESD3.2 J4.4 R78.2 R82.1
N17885061: Q4.3 R57.2
N17885064: Q5.3 R56.2
N17885188: D2.C1 R57.1
N17885197: D2.C2 R56.1
N17885971: R137.1 SW1.1
N17891382: C242.2 U9.C2
N17927723: C1.2 R20.2 R33.1 R34.1
N17928169: R18.2 U1.D2
N17928355: TP5.1 U1.H9
N17931076: C30.2 R4.1 R10.1 U8.13
N17931333: C29.2 R3.1 R10.2 U8.14
N17931466: C36.1 U8.16
N17931598: L10.2 U8.18
N17932120: C43.1 U8.24
N17932209: R77.2 U1.K1
N17932805: L1.1 U1.C10 U1.C11
N17933000: L2.1 U1.A11 U1.B11
N17933054: L3.1 U1.F10 U1.F11
N17933258: R96.1 U8.30
N17933389: R133.1 U1.J11
N17933396: R1.1 U1.K11
N17934085: C16.2 TP3.1 U1.G2
N17934398: R140.1 U1.A3
N17934405: R93.1 U1.A2(XOUT)
N17937278: C181.2 U8.33 Y1.1
N17937510: TP57.1 U8.35
N17938368: R98.1 U8.41
N17941528: R160.1 U6.AF15
N17941825: R6.1 U6.Y25
N17943937: C37.1 R14.1 U8.70
N17944282: R73.1 U8.72
N17944298: TP33.1 U8.73
N17944312: TP32.1 U8.74
N17944315: R64.1 U8.76
N17944320: R65.1 U8.75
N17951315: R76.2 U1.K2
N17976816: R104.1 U1.D5
N18007831: R164.1 U30.C3
N18008104: R173.1 U30.A4
N18008119: R172.1 U30.A3
N18129500: TP97.1 U31.52
N18130230: R165.2 U31.49
N18130235: R166.2 U31.50
N18132872: R168.1 U31.84
N18136019: R55.1 U31.83
N18136050: R183.1 TP114.1 U31.77
N18136062: TP98.1 U31.82
N18147695: TP99.1 U31.37
N18151525: TP109.1 U21.A3
N18151527: TP110.1 U21.C3
N18186222: R171.2 R174.1 U30.B4
N18233323: R182.1 U6.G9
N18237571: R15.2 U501.B3
N18237581: R39.2 U501.B4(ZQ1)
N18388068: R179.1 U31.85
N18396783: J7.A5 R162.2 R177.2
N18396799: J7.B5 R163.1 R176.2

Pads without a net: CON1 2; HOLE5 1; HOLE6 1; HOLE7 1; HOLE8 1; J2 A2 A3 A8 A10 A11 B2 B3 B8 B10 B11; J4 2; J7 A2 A3 A6 A7 A8 A10 A11 B2 B3 B6 B7 B8 B10 B11; J12 22; NOREF 1; NOREF#2 1; NOREF#4 1; NOREF#5 1; NOREF#7 1; NOREF#8 1; U1 A7 B7 D3 K3; U6 A17 AA18 AB18 AD4 AD5 AE1 AE7 AE25 AF1 AF2 AF25 C16 D16 E16 G3 G4 G6 G7 G8 H1 J2 J3 J4 J5 T17 U17 U23 U24 W8; U8 2 3 4 6 32 36 39 45 51 52 53 55 56 57 65 66 67 68 71; U9 A1 A2 A7 A8 A9 A10 A11 A12 A13 A14 B1 B7 B8 B9 B10 B11 B12 B13 B14 C1 C3 C5 C7 C8 C9 C10 C11 C12 C13 C14 D1 D2 D3 D4 D12 D13 D14 E1 E2 E3 E5 E8 E9 E10 E12 E13 E14 F1 F2 F3 F10 F12 F13 F14 G1 G2 G3 G10 G12 G13 G14 H1 H2 H3 H5 H12 H13 H14 J1 J2 J3 J12 J13 J14 K1 K2 K3 K6 K7 K10 K12 K13 K14 L1 L2 L3 L12 L13 L14 M1 M2 M3 M7 M8 M9 M10 M11 M12 M13 M14 N1 N3 N6 N7 N8 N9 N10 N11 N12 N13 N14 P1 P2 P7 P8 P9 P10 P11 P12 P13 P14; U30 A1 B1 B3 C1; U31 4 5 78; U501 C4 J8 K9 R3

## Via types
v1: diameter 0.305, hole 0.102, TOP to L02_GND1, 1143 vias
v2: diameter 0.305, hole 0.102, L02_GND1 to L03_IN1, 961 vias
v3: diameter 0.305, hole 0.102, L03_IN1 to L04_IN2, 761 vias
v4: diameter 0.305, hole 0.102, L04_IN2 to L05_POW, 341 vias
v5: diameter 0.457, hole 0.203, L05_POW to L06_GND2, 517 vias
v6: diameter 0.305, hole 0.102, L06_GND2 to L07_IN3, 557 vias
v7: diameter 0.305, hole 0.102, L07_IN3 to L08_IN4, 603 vias
v8: diameter 0.305, hole 0.102, L08_IN4 to L09_IN5, 725 vias
v9: diameter 0.305, hole 0.102, L09_IN5 to BOTTOM, 1101 vias
v10: diameter 0.254, hole 0.102, L09_IN5 to BOTTOM, 606 vias
v11: diameter 0.254, hole 0.102, L07_IN3 to L08_IN4, 360 vias
v12: diameter 0.254, hole 0.102, L08_IN4 to L09_IN5, 540 vias
v13: diameter 0.254, hole 0.102, TOP to L02_GND1, 222 vias
v14: diameter 0.254, hole 0.102, L02_GND1 to L03_IN1, 160 vias
v15: diameter 0.457, hole 0.203, L03_IN1 to L08_IN4, 89 vias
v16: diameter 0.254, hole 0.102, L06_GND2 to L07_IN3, 286 vias
v17: diameter 0.457, hole 0.203, TOP to BOTTOM, 191 vias
v18: diameter 0.254, hole 0.102, L03_IN1 to L04_IN2, 120 vias
v19: diameter 0.254, hole 0.102, L04_IN2 to L05_POW, 114 vias

## Routing (per net, layer and track width the routed paths; a pad name or vN(x,y) marks a point on that pad's centre or on a via; arc(x,y) is an arc through that point)
3.3V_A: length 8.1
  TOP w0.203: 60.68,29.34 U8.49 ; C270.1 60.6,27.34 U8.54 ; U8.50 60.79,28.94 ; 60.89,29.74 U8.48
  L03_IN1 w0.762: 56.1,31.64 56.23,31.52 57.7,31.52 57.7,31.52 57.94,31.52 59.86,29.59
  vias: v1(54.73,32.43) v1(55.16,32.43) v1(55.57,32.43) v1(55.57,32.02) v1(60.73,29.71) v1(60.73,29.41) v1(60.73,29.1) v2(54.73,32.43) v2(55.16,32.43) v2(55.57,32.43) v2(55.57,32.02) v2(60.73,29.71) v2(60.73,29.41) v2(60.73,29.1)
3V_SYSTEM: length 62.8
  TOP w0.254: 87.22,37.38 87.22,36.65 87.04,36.47 R91.1
  TOP w0.381: v17(59.95,41.75) 69.07,41.75
  L03_IN1 w0.254: 61.18,13.97 60.71,13.97 v4(60.15,14.52)
  L03_IN1 w0.381: v17(59.95,41.75) 59.95,41.9 58.26,43.59 56.94,43.59 56.59,43.25 50.78,43.25 48.33,45.7 47.33,45.7 47.33,45.7 44.74,45.7 42.55,43.5 39.59,43.5 37.9,45.19 v2(37.9,45.36)
  L05_POW w0.254: v4(60.15,14.52) 59.45,14.52 59.07,14.9 v7(52.78,14.9)
  L07_IN3 w0.254: v9(56.21,39.31) 56.42,39.52 v9(57.86,39.52)
  L08_IN4 w0.254: v7(52.78,14.9) 52.21,15.47 52.21,20.58 v9(51.74,21.05)
  BOTTOM w0.254: v9(51.74,21.05) R45.2 ; v17(59.95,41.75) 59.18,40.99 TP68.1 58.99,40.98 R41.2 R40.2 57.88,39.54 v9(57.86,39.52) 57.74,39.4 57.74,37.64 57.05,36.95 R43.2 57.57,36.54 58.11,37.07 U5.B1
  vias: v1(70.19,7.55) v1(70.19,7.04) v1(70.19,6.53) v1(74.78,41.83) v1(86.79,38.58) v1(86.79,38.27) v1(86.79,37.97) v1(86.79,37.66) v1(87.09,38.58) v1(87.09,38.27) v1(87.09,37.97) v1(87.09,37.66) v1(87.4,38.58) v1(87.4,38.27) v1(87.4,37.97) v1(87.4,37.66) v1(88.15,21.33) v1(88.15,20.92) v1(88.53,21.33) v1(88.53,20.92) v2(70.19,7.55) v2(70.19,7.04) v2(70.19,6.53) v2(74.78,41.83) v2(86.79,38.58) v2(86.79,38.27) v2(86.79,37.97) v2(86.79,37.66) v2(87.09,38.58) v2(87.09,38.27) v2(87.09,37.97) v2(87.09,37.66) v2(87.4,38.58) v2(87.4,38.27) v2(87.4,37.97) v2(87.4,37.66) v2(88.15,21.33) v2(88.15,20.92) v2(88.53,21.33) v2(88.53,20.92) v3(74.78,41.83) v3(75.34,9.27) v3(79.83,9.57) v3(82.27,9.65) v3(82.25,9.27) v3(82.27,8.86) v3(82.65,9.62) v3(82.63,9.27) v3(82.63,8.86) v3(85.27,11.65) v3(85.55,11.93) v3(85.57,11.42) v3(85.88,11.75) v3(85.88,11.22) v3(86.16,11.5) v4(74.78,41.83) v4(75.34,9.27) v4(79.83,9.57) v5(74.78,41.83) v5(75.34,9.27) v5(79.83,9.57) v6(75.34,9.27) v6(79.83,9.57) v7(75.34,9.27) v7(79.83,9.57) v8(75.34,9.27) v8(79.83,9.57) v9(75.34,9.27) v9(79.83,9.57) v10(74.78,41.83) v11(74.78,41.83) v12(74.78,41.83) v16(74.78,41.83)
AVDD18: length 2.3
  BOTTOM w0.254: R2.2 C14.2 72.06,38.63 71.85,38.63 71.54,38.31 U1.J1
AVSS18: length 2.8
  L08_IN4 w0.089: NC5.1 v9(72.58,39.6)
  L08_IN4 w0.254: v9(72.58,39.6) 72.58,39.31 71.88,38.61 v8(71.88,38.27)
  L09_IN5 w0.254: v10(71.54,37.77) 71.54,37.93 v8(71.88,38.27)
DVDD11: length 25.8
  TOP w0.203: 68.79,33.45 69.6,33.45 69.71,33.34 69.71,27.74 ; 68.79,33.45 68.8,33.45 U8.22 68.8,34.72 69.05,34.97 69.45,34.97 69.91,35.43 C42.1 ; 68.79,33.45 68.38,33.45 ; 69.71,27.74 69.71,26.12 69.61,26.01 66.95,26.01 66.8,25.87 U8.69 66.8,24.75 67.08,24.46 ; 69.71,27.74 69.71,27.74 U8.5 70.88,27.74 71.09,27.53 71.09,27.38 ; 68.38,33.45 68.4,33.46 U8.23 ; 68.38,33.45 66.14,33.45 66,33.59 U8.29 66,34.78 65.31,35.46 C44.1
  TOP w0.254: 71.09,27.38 71.09,26.65 C34.2 ; C38.1 67.32,24.23 67.08,24.46
DVDD18_EMI: length 9.7
  L08_IN4 w0.254: v10(41.64,34.51) 41.21,34.94 v9(38.33,34.94) ; v10(41.64,24.11) 41.19,24.56 39.12,24.56 v9(38.2,23.64)
  BOTTOM w0.254: 36.78,35.72 C241.1 ; C241.1 37.15,36.06 ; C241.1 36.41,36.06 ; 37.38,36.06 C239.1 ; C239.1 38.11,36.06 ; C239.1 37.75,35.72
DVDDIO_ANTSEL: length 5.3
  TOP w0.203: U8.28 66.4,34.72
  TOP w0.229: 66.4,34.72 66.4,34.86 65.81,35.46 65.81,36.45 65.35,36.9 R96.2 R9.1 65.74,37.97 R5.1
GND: length 255.1
  TOP w0.114: v2(73.78,26.51) 74.32,26.51 74.52,26.72 74.52,29.52 74.02,30.02 v1(72.86,30.02)
  TOP w0.152: 80.42,14.14 ESD5.1 ; ESD5.1 80.42,14.88 ; ESD5.1 80.76,14.51 ; ESD4.1 78.51,14.88 ; ESD4.1 78.51,14.14 ; ESD4.1 78.17,14.51
  TOP w0.254: v1(57.25,17.52) 57.25,17.86 ; v1(57.25,17.52) 57.62,17.52 ; v1(57.25,17.52) 56.88,17.52 ; C230.2 35.05,31.86 ; C230.2 34.71,31.49 ; C230.2 35.05,31.12 ; v1(46.38,13.38) 46.38,13.75 ; v1(46.38,13.38) 46.38,13.01 ; v1(46.38,13.38) 46.72,13.38 ; v1(59.15,27.73) 59.52,27.73 ; v1(59.15,27.73) 58.78,27.73 ; v1(59.15,27.73) 59.15,27.39 ; 60.07,33.79 v1(60.07,34.16) ; v1(60.07,34.16) 59.72,34.16 ; v1(60.07,34.16) 60.07,34.53 ; 85.77,36.13 v1(85.77,36.47) ; v1(85.77,36.47) 86.14,36.47 ; v1(85.77,36.47) 85.4,36.47 ; 54.1,25.03 v1(54.1,25.4) ; v1(54.1,25.4) 54.1,25.76 ; v1(54.1,25.4) 53.75,25.4 ; v1(30.78,23.82) 31.12,23.82 ; v1(30.78,23.82) 30.78,24.19 ; v1(30.78,23.82) 30.78,23.46 ; 57.36,23.48 v1(57.7,23.48) ; v1(57.7,23.48) 57.7,23.11 ; v1(57.7,23.48) 57.7,23.85 ; 35.05,33.05 C225.2 ; C225.2 35.05,33.79 ; C225.2 34.71,33.42 ; R174.2 51.21,44.36 ; R174.2 51.55,43.99 ; R174.2 51.21,43.62 ; C54.1 50.93,29.85 ; C54.1 50.93,29.11 ; C54.1 50.59,29.48 ; 55.09,30.86 v1(55.09,31.21) 55.45,31.21 ; 60.78,22.93 v5(61.15,22.93) ; v5(61.15,22.93) 61.15,22.59 ; v5(61.15,22.93) 61.52,22.93 ; 35.05,34.02 C236.2 ; C236.2 35.05,34.75 ; C236.2 34.71,34.39 ; v1(58.64,18.36) 58.99,18.36 ; v1(58.64,18.36) 58.64,18.73 ; v1(58.64,18.36) 58.64,17.99 ; 41.32,19.08 v1(41.69,19.08) ; v1(41.69,19.08) 41.69,18.74 ; v1(41.69,19.08) 42.06,19.08 ; 77.19,14.14 ESD7.1 ; ESD7.1 76.84,14.51 ; ESD7.1 77.19,14.88 ; 44.5,12 v1(44.16,12) 44.16,11.63 ; 58.31,29.7 v1(58.31,29.33) 58.31,28.96 ; 64.84,23.74 v1(64.5,23.74) 64.5,23.38 ; 86.12,16.17 v1(86.12,16.54) 85.78,16.54 ; 33.48,29.29 C517.2 ; C517.2 33.14,29.66 ; C517.2 33.48,30.03 ; v1(30.78,24.76) 31.12,24.76 ; v1(30.78,24.76) 30.78,24.39 ; v1(30.78,24.76) 30.78,25.13 ; C170.1 63.11,21.85 ; C170.1 62.77,21.48 ; C170.1 63.11,21.11 ; 60.07,21.33 v1(59.72,21.33) 59.72,21.7 ; v1(43.6,19.08) 43.97,19.08 ; v1(43.6,19.08) 43.23,19.08 ; v1(43.6,19.08) 43.6,18.74 ; 58.26,31.25 v1(58.26,31.59) ; v1(58.26,31.59) 57.89,31.59 ; v1(58.26,31.59) 58.63,31.59 ; v1(71.48,25.75) 71.85,25.75 ; v1(71.48,25.75) 71.85,25.91 ; v1(71.48,25.75) 71.85,25.43 ; v1(71.48,25.75) 71.48,25.41 ; 30.78,27.44 v1(30.78,27.81) ; v1(30.78,27.81) 31.12,27.81 ; v1(30.78,27.81) 30.78,28.18 ; 30.78,29.38 v1(30.78,29.75) ; v1(30.78,29.75) 30.78,30.12 ; v1(30.78,29.75) 31.12,29.75 ; 88.26,16.82 C114.2 87.89,17.17 ; v1(30.78,26.79) 30.78,27.16 ; v1(30.78,26.79) 30.78,26.42 ; v1(30.78,26.79) 31.12,26.79 ; C106.2 v1(88.26,19.55) ; C106.2 88.63,19.07 ; C106.2 87.89,19.07 ; 64.42,36.56 v1(64.42,36.22) 64.24,36.55 ; v1(42.06,22.02) C235.2 ; 61.59,23.91 v1(61.59,24.28) 61.25,24.28 ; v1(65.41,22.96) 65.49,22.88 C32.1 ; 34.71,35.4 C226.2 ; C226.2 35.05,35.03 ; C226.2 35.05,35.77 ; 59.94,31.16 59.97,31.13 59.97,30.91 L11.1 ; 61.31,35.68 v1(61.68,35.68) ; v1(61.68,35.68) 61.68,36.03 ; v1(61.68,35.68) 62.05,35.68 ; C228.2 v1(41.18,22.04) ; 60.04,28.71 L14.1 59.67,29.05 ; C229.2 35.05,32.85 ; C229.2 35.05,32.11 ; C229.2 34.71,32.48 ; 62.2,36 v1(62.57,35.68) 62.2,35.68 ; v1(59.25,26.89) 59.25,27.24 ; v1(59.25,26.89) 58.89,26.89 ; v1(59.25,26.89) 59.62,26.89 ; 49.31,30.83 C227.2 ; C227.2 49.65,31.19 ; C227.2 49.65,30.46 ; 42.34,19.08 v1(42.71,19.08) ; v1(42.71,19.08) 43.08,19.08 ; v1(42.71,19.08) 42.71,18.74 ; 80.96,14.52 ESD6.1 81.31,14.15 ; L11.1 59.66,30.83 ; L11.1 59.67,31.15 ; L11.1 59.67,30.67 ; 69.39,36.22 v1(69.02,36.22) 69.39,36.53 ; C519.2 35.05,29.67 ; C519.2 34.71,29.31 ; C519.2 35.05,28.94 ; v2(59.1,37.45) 58.9,37.25 Y1.2 ; 44.16,10.74 v1(44.16,11.11) ; v1(44.16,11.11) 44.16,11.48 ; v1(44.16,11.11) 44.5,11.11 ; v1(30.78,28.82) 31.12,28.82 ; v1(30.78,28.82) 30.78,29.19 ; v1(30.78,28.82) 30.78,28.45 ; 33.14,30.7 C518.2 ; C518.2 33.48,30.33 ; C518.2 33.48,31.07 ; Y1.4 59.88,35.95 v2(59.1,36.72) ; 64.89,23.17 L15.1 64.52,22.83 ; v1(61.67,37.64) 62.04,37.64 ; v1(61.67,37.64) 61.3,37.64 ; v1(61.67,37.64) 61.67,37.98 ; v18(54.1,27.17) 54.1,27.54 ; v18(54.1,27.17) 53.75,27.17 ; v18(54.1,27.17) 54.1,26.8 ; 57.64,21.5 v1(57.64,21.13) 57.64,20.76 ; v1(30.78,30.75) 31.12,30.75 ; v1(30.78,30.75) 30.78,30.38 ; v1(30.78,30.75) 30.78,31.12 ; Y1.3 v2(59.18,35.95)